# Altium PCB SPEC-A7.PcbDoc (part 1 of 10) (continued)
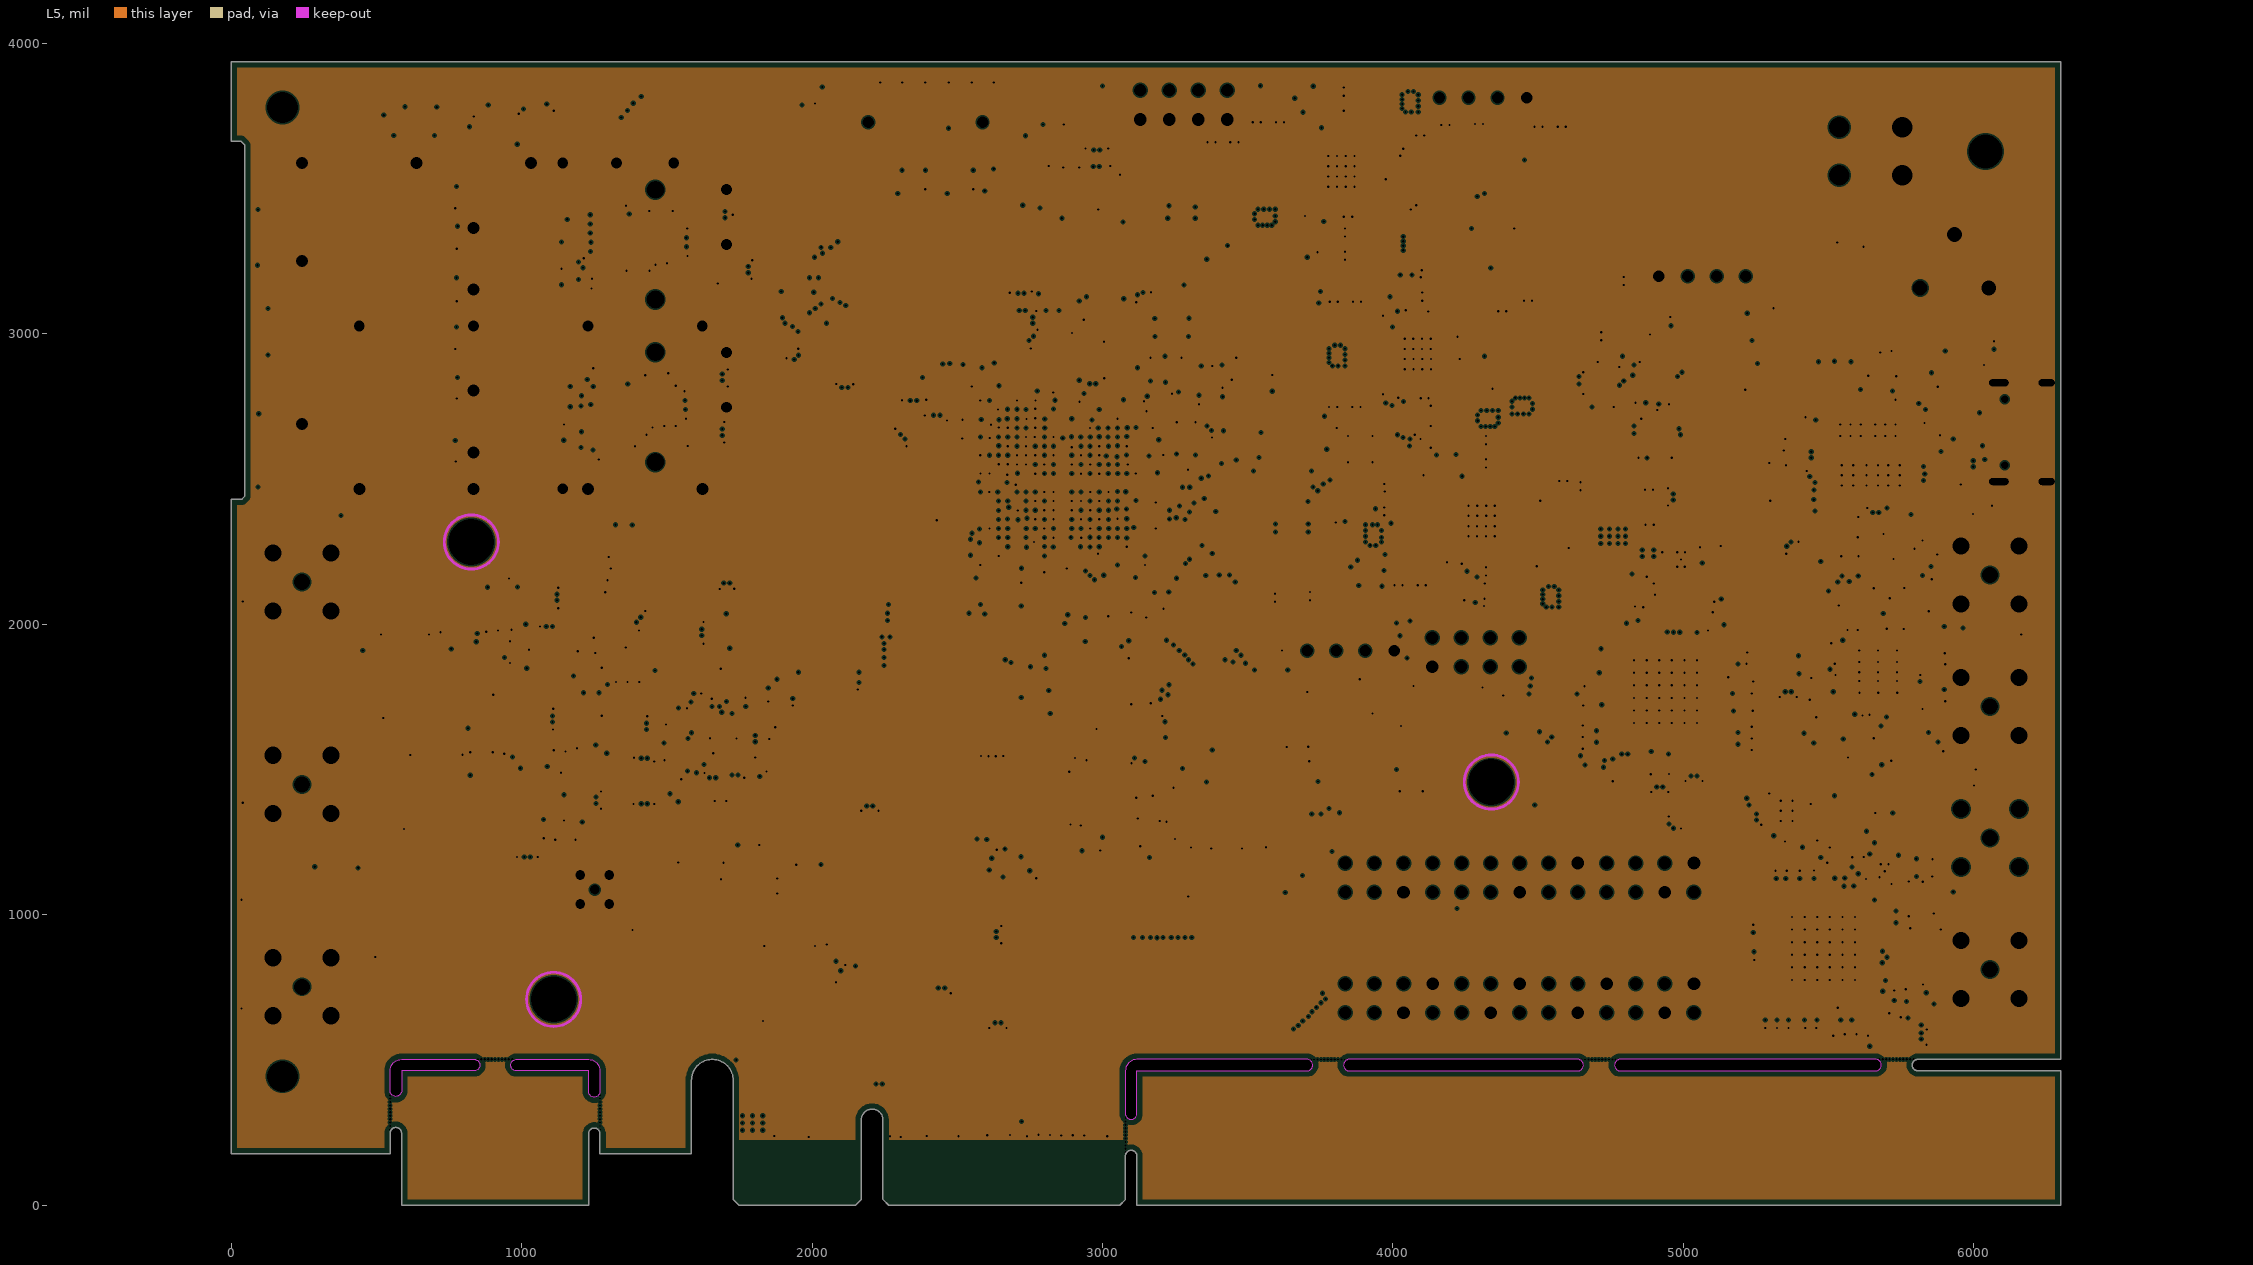
[diagram p5: L5, clearances drawn from the general rule]
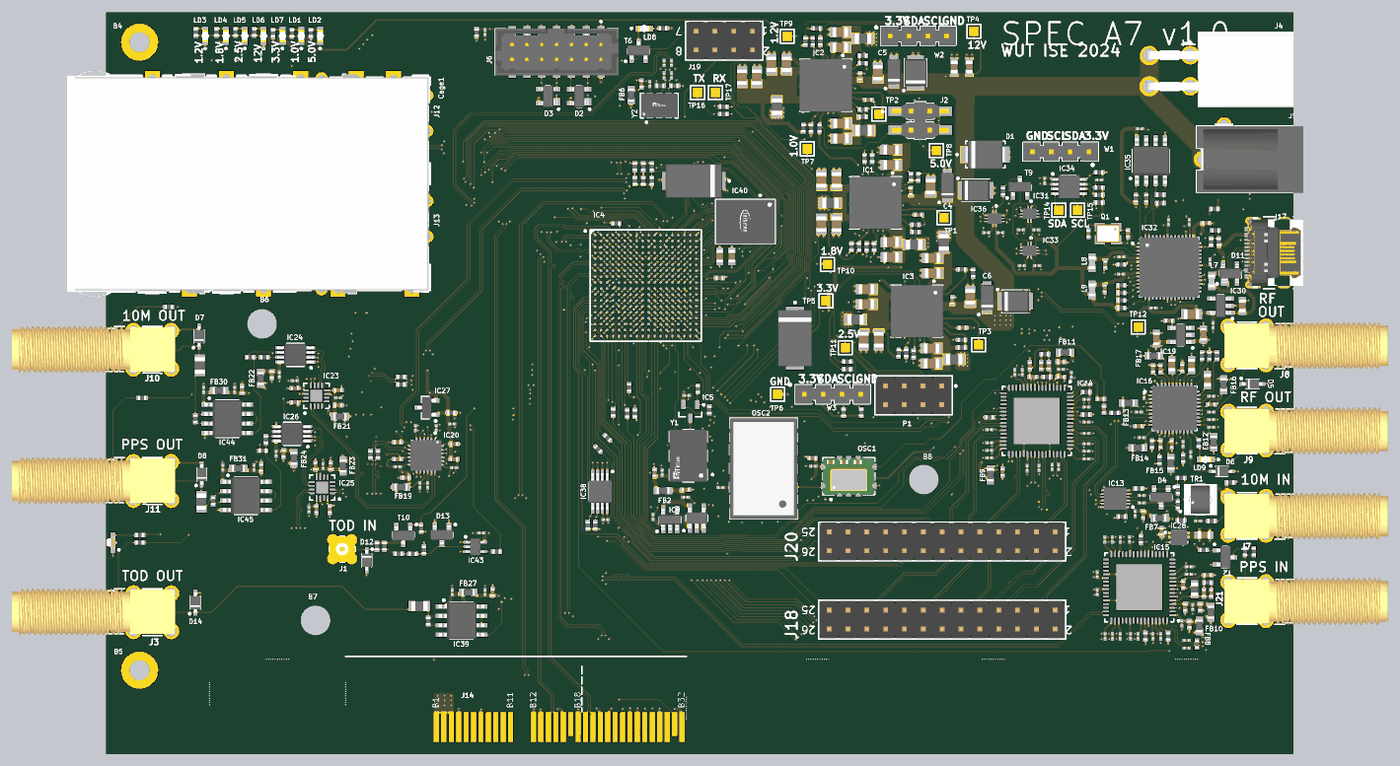
[diagram p15: 3D render of the assembled board from above, using the file's embedded part models]
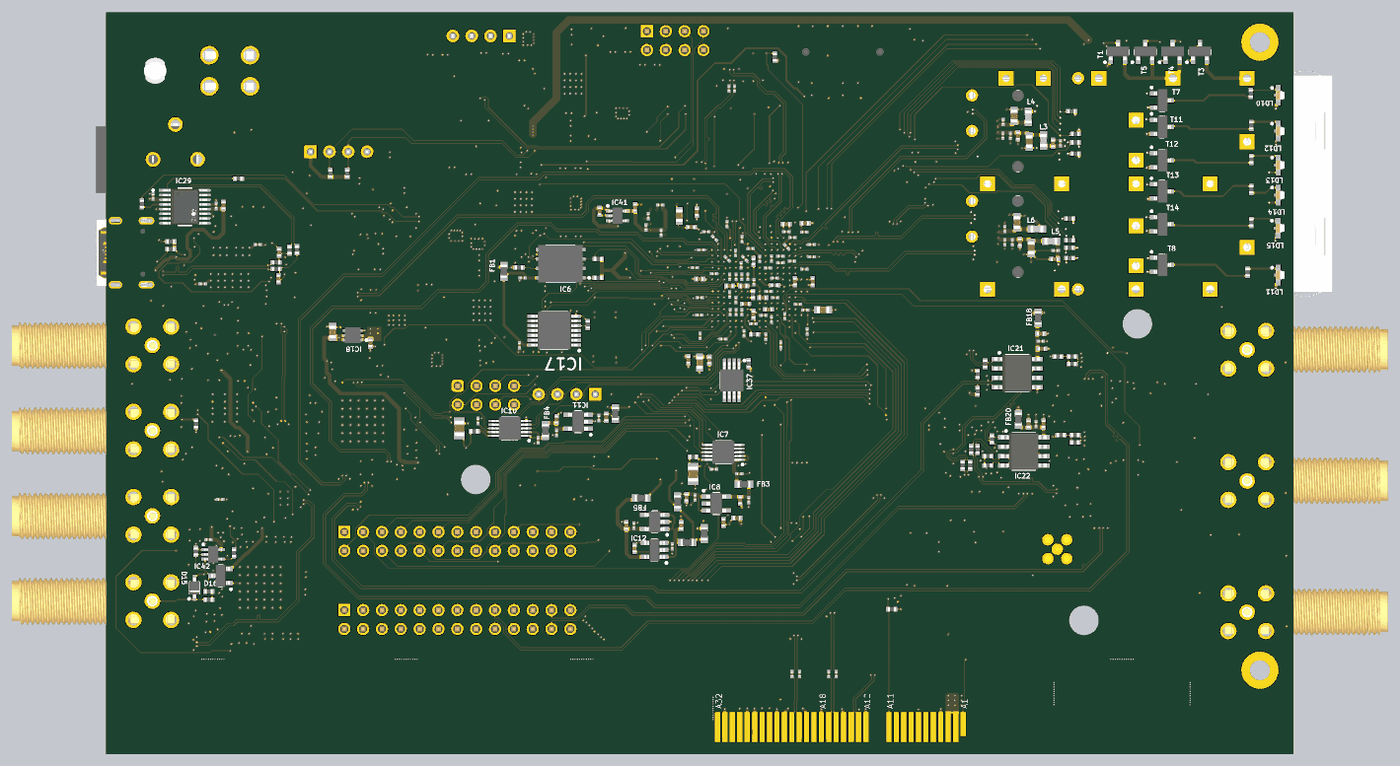
[diagram p16: 3D render of the assembled board from below, using the file's embedded part models]

## Layer stack, top to bottom
Top Solder: solder mask 0.394, Solder Resist, Dk 3.5
Top Layer: signal copper 1.378
Dielectric1: prepreg 3.937, FR-4, Dk 4.7
L2: plane copper 1.378, net GND
Dielectric5: core 3.937, FR-4, Dk 4.7
L3: signal copper 0.689
Dielectric2: prepreg 39.37, FR-4, Dk 4.8
L4: signal copper 0.689
Dielectric3: core 3.937, FR-4, Dk 4.7
L5: plane copper 0.689, net GND
Dielectric4: prepreg 3.937, FR-4, Dk 4.7
Bottom Layer: signal copper 1.378
Bottom Solder: solder mask 0.394, Solder Resist, Dk 3.5

## Board outline
0,177.14 547.24,177.14 547.24,248.03 cw(c566.93,248.03) 566.93,267.72 cw(c566.93,248.03) 586.61,248.03 586.61,0 1230.31,0 1230.31,115.64 1230.31,246.02 cw(c1250,246.02) 1250,265.7 cw(c1250,246.01) 1269.68,246.01 1269.68,177.14 1584.64,177.14 1584.64,430.1 cw(c1656.49,430.1) 1728.34,430.1 1728.34,19.66 1748.03,-0.02 2149.6,-0.02 2169.28,19.66 2169.28,293.29 cw(c2206.69,293.29) 2244.09,293.29 2244.09,19.66 2263.78,-0.02 3059.05,-0.02 3078.74,19.66 3078.73,130.39 3078.73,169.29 cw(c3098.42,169.29) 3098.42,188.98 cw(c3098.42,169.29) 3118.1,169.29 3118.1,-0.02 6299.21,-0.02 6299.21,462.69 5807.21,462.69 cw(c5807.21,482.37) 5787.53,482.37 cw(c5807.21,482.37) 5807.21,502.06 6299.21,502.06 6299.21,501.95 6299.21,3936.99 0,3936.99 0,3662.98 33.87,3662.98 47.24,3649.61 47.24,3535.43 47.24,2527.56 47.24,2439.96 46.26,2439.96 37.4,2431.1 0,2431.1
cut-out: 4762.4,482.21 ccw(c4782.09,482.21) 4782.09,462.53 5661.54,462.53 5661.54,462.69 ccw(c5661.54,482.37) 5681.23,482.37 ccw(c5661.54,482.37) 5661.54,502.06 5661.54,501.9 4782.09,501.9 ccw(c4782.09,482.21)
cut-out: 3829.58,482.23 ccw(c3849.26,482.23) 3849.26,462.54 4636.42,462.54 4636.42,462.53 ccw(c4636.42,482.21) 4656.1,482.21 ccw(c4636.42,482.21) 4636.42,501.9 4636.42,501.91 3849.26,501.91 ccw(c3849.26,482.23)
cut-out: 3078.73,314.96 ccw(c3098.42,314.96) 3098.42,295.28 ccw(c3098.42,314.96) 3118.1,314.96 3118.1,462.54 3703.59,462.54 ccw(c3703.59,482.23) 3723.28,482.23 ccw(c3703.59,482.23) 3703.59,501.91 3703.59,501.95 3118.1,501.95 ccw(c3118.1,462.58) 3078.73,462.58
cut-out: 982.31,462.58 cw(c982.31,482.26) 962.62,482.26 cw(c982.31,482.26) 982.31,501.95 1069.39,501.95 1230.31,501.95 cw(c1230.31,462.58) 1269.68,462.58 1269.68,391.68 cw(c1250,391.68) 1250,372 cw(c1250,391.68) 1230.31,391.68 1230.31,462.58 1069.39,462.58
cut-out: 566.93,374.02 cw(c566.93,393.7) 547.24,393.7 547.24,462.58 cw(c586.61,462.58) 586.61,501.95 747.54,501.95 836.64,501.95 cw(c836.64,482.26) 856.32,482.26 cw(c836.64,482.26) 836.64,462.58 747.54,462.58 586.61,462.58 586.61,393.7 cw(c566.93,393.7)

## Design rules (kind name [scope] priority, off if disabled: settings)
Clearance [All] p1: gap=5 ignorepadtopadclearanceinfootprint=FALSE except(4: Arc-Fill Arc-Poly Arc-Region Track-Fill Track-Poly Track-Region SMDPad-Fill SMDPad-Poly SMDPad-Region THPad-Fill THPad-Poly THPad-Region Via-Fill Via-Poly Via-Region Fill-Fill Fill-Poly Fill-Region Poly-Poly Poly-Region Region-Region)
DiffPairsRouting [All] p1: maxlimit=12 minlimit=8 mostfreqgap=12 toplayer_maxgap=8 toplayer_prefgap=8 toplayer_minwidth=5 toplayer_maxwidth=5 toplayer_prefwidth=5 midlayer1_mingap=12 midlayer1_minwidth=4 midlayer1_maxwidth=4 midlayer1_prefwidth=4 midlayer2_mingap=12 midlayer2_minwidth=4 midlayer2_maxwidth=4 midlayer2_prefwidth=4 bottomlayer_maxgap=8 bottomlayer_prefgap=8 bottomlayer_minwidth=5 bottomlayer_maxwidth=5 bottomlayer_prefwidth=5 impedanceprofiledriven=TRUE impedanceprofileid={423340E5-958B-4755-B07E-32FED86A85B5} impedanceprofilevalue=100.000000 maxuncoupledlength=500
HoleSize [All] p1: absolutevalues=TRUE maxlimit=1000 minlimit=1 maxpercent=80.000 minpercent=20.000
HoleToHoleClearance [All] p1: gap=5 allowstackedmicrovias=TRUE
MatchedLengths [All] p1: tolerance=5 checknetsindiffpair=TRUE checkdiffpairvsdiffpair=FALSE checkxsignals=FALSE checkothers=FALSE
MinimumSolderMaskSliver [All] p1 off: minsoldermaskwidth=1
PlaneClearance [All] p1: clearance=5
PlaneConnect [All] p1: pad.planeconnectstyle=Relief pad.reliefexpansion=5 pad.reliefentries=4 pad.reliefconductorwidth=10 pad.reliefairgap=5 via.planeconnectstyle=Direct via.reliefexpansion=20 via.reliefentries=4 via.reliefconductorwidth=10 via.reliefairgap=10
PolygonConnect [All] p1: thpad.connectstyle=Relief thpad.reliefconductorwidth=10 thpad.reliefentries=4 thpad.polygonreliefangle="90 Angle" thpad.airgapwidth=5 smdpad.connectstyle=Relief smdpad.reliefconductorwidth=10 smdpad.reliefentries=4 smdpad.polygonreliefangle="90 Angle" smdpad.airgapwidth=10 via.connectstyle=Direct via.reliefconductorwidth=10 via.reliefentries=4 via.polygonreliefangle="90 Angle" via.airgapwidth=10
RoutingVias [All] p1: holewidth=7.87 width=15.75 viastyle="Through Hole" minholewidth=7.87 minwidth=15.75 maxholewidth=28 maxwidth=50
SilkToSilkClearance [All] p1: silktosilkclearance=1
SilkToSolderMaskClearance [IsPad] p1: minsilkscreentomaskgap=1 clearancetoexposedcopper=TRUE
SolderMaskExpansion [All] p1: expansion=4 istentingtop=FALSE
Width [All] p1: maxlimit=100 minlimit=5 preferedwidth=10
22 further rules are at their usual default settings.

## Classes and differential pairs
component class U_PPS_IN: C351 D15 D16 IC42 J21 R80 R83 R84 R165 R166 R177 R178 T2
component class U_TOD: C54 C303 C324 C325 D12 D13 D14 FB27 IC39 IC43 J1 J3 R123 R148 R149 R150 R151 R152 R153 R154 R155 T10
net class DDMTD: CLK_25M_DMTD DDMTD_LDAC DDMTD_SCLK DDMTD_SDI DDMTD_SDO DDMTD_SYNC
net class RGMII: RGMII_RX_CLK RGMII_RX_DV RGMII_RXD0 RGMII_RXD1 RGMII_RXD2 RGMII_RXD3 RGMII_TX_CLK RGMII_TX_EN RGMII_TXD0 RGMII_TXD1 RGMII_TXD2 RGMII_TXD3
net class MISC: GPIO0 GPIO1 GPIO2 GPIO3 GPIO4 I2C_SCL I2C_SDA
net class SFP1: SFP1_DISABLE SFP1_FAULT SFP1_LOSE SFP1_MODE0 SFP1_MODE1 SFP1_MODE2 SFP1_RS SFP_1.LED
net class SFP0: SFP0_DISABLE SFP0_FAULT SFP0_LOSE SFP0_MODE0 SFP0_MODE1 SFP0_MODE2 SFP0_RS SFP_0.LED
net class PLL: PLL_CS PLL_LOCK PLL_REFSEL PLL_RESET PLL_SCLK PLL_SDI PLL_SDO PLL_STAT PLL_SYNC
net class LMX: LMX_CS LMX_SCK LMX_SDI LMX_SYNC
net class EPLL: EXT_PLL_CS EXT_PLL_LOCK EXT_PLL_REFSEL EXT_PLL_SCLK EXT_PLL_SDI EXT_PLL_SDO EXT_PLL_STAT EXT_PLL_SYNC EXT_RESET
differential pair class Diff_100Ohm: SFP0_I SFP0_O SFP1_I SFP1_O
differential pair class Diff_90Ohm: USB_D_R
net class PWR: NetC13_2 NetC19_2 NetC22_2 NetC26_2 NetC28_2 NetC34_2 NetC39_2 NetC41_2 P12V0 VCCBRAM
component class U_XO_125M: C163 C164 FB6 R55 R56 Y2
component class U_VCXO_25M_PTP: C148 C149 C150 C151 C152 C153 C154 C155 C156 C157 C158 C159 C160 C161 C162 C337 C339 FB4 FB5 FB28 FB29 IC10 IC11 IC12 IC47 OSC1 OSC2 R52 R53
component class U_VCXO_25M_DDMTD: C135 C136 C137 C138 C139 C140 C141 C142 C143 C144 C145 C146 C147 C338 FB2 FB3 FB25 FB26 IC7 IC8 IC9 IC46 R51 Y1
component class U_USB_Serial_Quad: C52 C297 C298 C299 C300 C301 C302 C304 C305 C306 C307 C308 C309 C310 C311 C312 C313 C314 C315 C316 C317 C318 C319 C320 C321 C322 C323 C331 C333 C334 D11 IC29 IC30 IC31 IC32 IC33 IC34 IC35 IC36 J17 L7 L8 L9 Q1 R105 R106 R107 R108 R109 R110 R111 R112 R113 R114 R115 R116 R117 R118 R119 R120 R121 R122 R169 R171 R172 R173 R174 R175 R176 R200 T9 TP14 TP15 TP16 TP17
component class U_SFP: C281 C282 C283 C284 C285 C286 C287 C288 C289 C290 C291 C292 C293 C294 C295 C296 Cage1 J12 J13 L3 L4 L5 L6 LD10 LD11 R94 R95 R96 R97 R98 R99 R100 R101 R102 R103 T7 T8
component class U_Power: C1 C2 C3 C4 C5 C6 C7 C8 C9 C10 C11 C12 C13 C14 C15 C16 C17 C18 C19 C20 C21 C22 C23 C24 C25 C26 C27 C28 C29 C30 C31 C32 C34 C35 C36 C37 C39 C40 C41 C42 C43 D1 IC1 IC2 IC3 J2 J4 J5 LD1 LD2 LD3 LD4 LD5 LD6 LD7 PM1 R3 R4 R5 R6 R7 R8 R9 R10 R11 R12 R13 R14 R15 R16 R17 R18 R19 R20 R21 R22 R23 R24 R25 R26 R27 R28 R29 R30 R31 R32 R33 R34 R35 R36 R37 R38 R39 R78 R135 R136 R145 R146 R179 R180 R181 R182 R183 R184 R185 T1 T3 T4 T5 TP1 TP2 TP3 TP4 TP5 TP6 TP7 TP8 TP9 TP10 TP11 W1 W2 W3
component class U_PCIe: J14 R104
component class U_Misc: B4 B5 B6 B7 B8 IC37 J19 LD12 LD13 LD14 LD15 R124 R125 R126 R127 R128 R129 R130 R131 R132 R133 R134 T11 T12 T13 T14
component class U_FPGA_PWR_CONFIG: C56 C57 C58 C59 C60 C61 C62 C63 C64 C65 C66 C67 C68 C69 C70 C71 C72 C73 C74 C75 C76 C77 C78 C79 C80 C81 C82 C83 C84 C85 C86 C87 C88 C89 C90 C91 C92 C93 C94 C95 C96 C97 C98 C99 C100 C101 C102 C103 C104 C105 C106 C107 C108 C109 C110 C111 C112 C113 C114 C115 C116 C117 C118 C119 C120 C121 C122 C123 C124 C125 C126 C127 C128 C129 C130 C131 C132 C133 C134 C332 D2 D3 FB1 IC5 IC6 IC17 J6 L1 L2 LD8 P1 R43 R44 R45 R46 R47 R48 R49 R50 R54 R147 R170 T6
component class U_FPGA_MGT: C44 C45 C46 C47 C48 C49 C50 C51 C53 C55 C335 C336 R42
component class U_FPGA_34: C33 IC38 R40 R41 R159 R160 R161 R162 R163 R164
component class U_FPGA_14_15: C326 C327 C328 C329 C330 IC4 IC40 IC41 LD16 LD17 LD18 LD19 R186 R187 R188 R189
component class U_Ext_connectors: J18 J20
component class U_DIFF_DELAY_FANOUT: C247 C248 C249 C250 C251 C252 C253 C254 C255 C256 C257 C258 C259 C260 C261 C262 C263 C264 C265 C266 C267 C268 C269 C270 C271 C272 C273 C274 C275 C276 C277 C278 C279 C280 C352 C353 C354 C355 C356 C357 D7 D8 FB18 FB19 FB20 FB21 FB22 FB23 FB24 FB30 FB31 IC20 IC21 IC22 IC23 IC24 IC25 IC26 IC27 IC44 IC45 J10 J11 R85 R86 R87 R88 R89 R90 R91 R92 R93 R137 R138 R139 R140 R141 R142 R143 R144 R167 R168 R190 R191 R192 R193 R194 R195 R196 R197 R198 R199
component class U_Clocks_PLL: C38 C165 C166 C167 C168 C169 C170 C171 C172 C173 C174 C175 C176 C177 C178 C179 C180 C181 C182 C183 C184 C185 C186 C187 C188 C189 C190 C191 C192 C193 C194 C195 C196 C197 C198 C199 C200 C201 C202 C203 C204 C205 C206 C207 C208 C209 C210 C211 C212 C213 C214 C215 C216 C217 C218 C219 C220 C221 C222 C223 C224 C225 C226 C227 C228 C229 C230 C231 C232 C233 C234 C235 C236 C237 C238 C239 C240 C241 C242 C243 C244 C245 C246 D4 D5 D6 FB7 FB8 FB9 FB10 FB11 FB12 FB13 FB14 FB15 FB16 FB17 IC13 IC14 IC15 IC16 IC18 IC19 IC28 J7 J8 J9 LD9 R57 R58 R59 R60 R61 R62 R63 R64 R65 R66 R67 R68 R69 R70 R71 R72 R73 R74 R75 R76 R77 R79 R81 R82 R156 R157 R158 TP12 TR1
component class SPEC-A7-TOP: R1 R2
differential pair PCIe_REFCLK: +PCIe_REFCLK_P -PCIe_REFCLK_N
differential pair C: +C_P -C_N
differential pair CR: +CR_P -CR_N
differential pair PCIe_PET1: +PCIe_PET1_P -PCIe_PET1_N
differential pair PCIe_PET0: +PCIe_PET0_P -PCIe_PET0_N
differential pair PCIe_PER1: +PCIe_PER1_P -PCIe_PER1_N
differential pair PCIe_PER0: +PCIe_PER0_P -PCIe_PER0_N
differential pair DELAY_Q1: +DELAY_Q1_P -DELAY_Q1_N
differential pair DELAY_Q0: +DELAY_Q0_P -DELAY_Q0_N
differential pair SYNC_DATA1: +SYNC_DATA1_P -SYNC_DATA1_N
differential pair SYNC_DATA0: +SYNC_DATA0_P -SYNC_DATA0_N
differential pair 62_5MHZ: +62_5MHZ_P -62_5MHZ_N
differential pair CLK_125M: +CLK_125M_P -CLK_125M_N
differential pair USB_D_R: +USB_D_R_P -USB_D_R_N
differential pair SFP1_O: +SFP1_O_P -SFP1_O_N
differential pair SFP1_I: +SFP1_I_P -SFP1_I_N
differential pair SFP0_O: +SFP0_O_P -SFP0_O_N
differential pair SFP0_I: +SFP0_I_P -SFP0_I_N
differential pair PET1: +PET1_P -PET1_N
differential pair PET0: +PET0_P -PET0_N
differential pair OUT_3: +OUT_3_P -OUT_3_N
differential pair OUT_2: +OUT_2_P -OUT_2_N
differential pair MGTREFCLK1: +MGTREFCLK1_P -MGTREFCLK1_N
differential pair MGTREFCLK0: +MGTREFCLK0_P -MGTREFCLK0_N
differential pair GTP_CLK_REF: +GTP_CLK_REF_P -GTP_CLK_REF_N
differential pair FPGA_GCLK: +FPGA_GCLK_P -FPGA_GCLK_N
differential pair EXT_CLK: +EXT_CLK_P -EXT_CLK_N
differential pair EXT_CLK_9: +EXT_CLK_9_P -EXT_CLK_9_N
differential pair EXT_CLK_6: +EXT_CLK_6_P -EXT_CLK_6_N
differential pair EXT_CLK_5: +EXT_CLK_5_P -EXT_CLK_5_N
differential pair EXT_CLK_4: +EXT_CLK_4_P -EXT_CLK_4_N
differential pair EXT_CLK_1: +EXT_CLK_1_P -EXT_CLK_1_N
differential pair EXT_CLK_0: +EXT_CLK_0_P -EXT_CLK_0_N
differential pair DLY_Q1: +DLY_Q1_P -DLY_Q1_N
differential pair DLY_Q1_SE: +DLY_Q1_SE_P -DLY_Q1_SE_N
differential pair DLY_Q0: +DLY_Q0_P -DLY_Q0_N
differential pair DLY_Q0_SE: +DLY_Q0_SE_P -DLY_Q0_SE_N
differential pair DFF_Q1: +DFF_Q1_P -DFF_Q1_N
differential pair DFF_Q0: +DFF_Q0_P -DFF_Q0_N
differential pair 125M_CLK: +125M_CLK_P -125M_CLK_N

## Components (designator, comment, footprint, x,y, rotation, side; value= is the part's Value field where it differs from the comment)
B4 "Plated Hole" MTG270_500#1 157.48,3779.53 r0 top
B5 "Plated Hole" MTG270_500#2 176.54,443.59 r0 top
B6 "Non Plated Hole" MTG400 826.77,2283.46 r0 top
B7 "Non Plated Hole" MTG400 1110.24,708.66 r0 top
B8 "Non Plated Hole" MTG400 4338.58,1456.69 r0 top
C1 "33uF" CAPMP3528X210N 4615,2992.98 r0 top
C2 "33uF" CAPMP3528X210N 4295,3617.98 r90 top
C3 "33uF" CAPMP3528X210N 4825,2402.98 r0 top
C4 "10uF" CAPMP3216X180N 4465,3017.98 r90 top
C5 "10uF" CAPMP3216X180N 4180,3622.98 r90 top
C6 "10uF" CAPMP3216X180N 4675,2422.98 r90 top
C7 "100nF" CAPC1005X55N 4270,2987.98 r270 top
C8 "100nF" CAPC1005X55N 4000,3597.98 r270 top
C9 "100nF" CAPC1005X55N 4490,2407.98 r270 top
C10 "22uF" CAPC2012X135N 4375,3012.98 r270 top
C11 "22uF" CAPC2012X135N 4095,3617.98 r270 top
C12 "22uF" CAPC2012X135N 4585,2427.98 r270 top
C13 "22uF" CAPC2012X135N 3795,2812.98 r90 top
C14 "22uF" CAPC2012X135N 3875,2812.98 r90 top
C15 "22uF" CAPC2012X135N 3875,3047.98 r270 top
C16 "22uF" CAPC2012X135N 3795,3047.98 r270 top
C17 "22uF" CAPC2012X135N 4165,3207.98 r0 top
C18 "22uF" CAPC2012X135N 4165,3127.98 r0 top
C19 "22uF" CAPC2012X135N 4165,2637.98 r0 top
C20 "22uF" CAPC2012X135N 4165,2717.98 r0 top
C21 "1uF" CAPC1005X55N 4310,2862.98 r180 top
C22 "22uF" CAPC2012X135N 3610,3662.98 r270 top
C23 "22uF" CAPC2012X135N 3374.02,3594.49 r270 top
C24 "22uF" CAPC2012X135N 3452.76,3594.49 r270 top
C25 "22uF" CAPC2012X135N 3530,3662.98 r270 top
C26 "22uF" CAPC2012X135N 3895,3832.98 r0 top
C27 "22uF" CAPC2012X135N 3895,3752.98 r0 top
C28 "22uF" CAPC2012X135N 3900,3347.98 r0 top
C29 "22uF" CAPC2012X135N 3900,3267.98 r0 top
C30 "1uF" CAPC1005X55N 4045,3472.98 r180 top
C31 "10uF" CAPC1608X80N 4580,3647.98 r270 top
C32 "10uF" CAPC1608X80N 4500,3647.98 r270 top
C33 "100nF" CAPC0603X33N 2650,1242.98 r0 top
C34 "22uF" CAPC2012X135N 4100,2199.36 r90 top
C35 "22uF" CAPC2012X135N 4020,2199.36 r90 top
C36 "22uF" CAPC2012X135N 4035,2467.98 r0 top
C37 "22uF" CAPC2012X135N 4035,2387.98 r0 top
C38 "100nF" CAPC0603X33N 5204.72,1960.63 r180 top
C39 "22uF" CAPC2012X135N 4385,2632.98 r0 top
C40 "22uF" CAPC2012X135N 4385,2552.98 r0 top
C41 "22uF" CAPC2012X135N 4380,2152.98 r0 top
C42 "22uF" CAPC2012X135N 4380,2072.98 r0 top
C43 "1uF" CAPC1005X55N 4545,2262.98 r180 top
C44 "100nF" CAPC0603X33N 3000,3602.98 r90 top
C45 "100nF" CAPC0603X33N 2960,3602.98 r90 top
C46 "100nF" CAPC0603X33N 5054.1,1523.05 r270 top
C47 "100nF" CAPC0603X33N 5019.1,1523.05 r270 top
C48 "100nF" CAPC0603X33N 2995,3532.98 r270 bottom
C49 "100nF" CAPC0603X33N 2425,422.98 r270 bottom
C50 "100nF" CAPC0603X33N 2965,3532.98 r270 bottom
C51 "100nF" CAPC0603X33N 2465,422.98 r270 bottom
C52 "22uF" CAPC2012X135N 5759.84,2334.65 r0 top
C53 "100nF" CAPC0603X33N 2620,422.98 r270 bottom
C54 "100nF" CAPC0603X33N 1990.14,1172.51 r0 top
C55 "100nF" CAPC0603X33N 2660,422.98 r270 bottom
C56 "4.7uF" CAPC1005X55N 2690.51,2812.98 r180 bottom
C57 "100nF" CAPC0603X33N 2689.77,2773.03 r180 bottom
C58 "100nF" CAPC0603X33N 2688.59,2692.59 r45 bottom
C59 "100nF" CAPC0603X33N 2721.42,2643.51 r180 bottom
C60 "100nF" CAPC0603X33N 2721.81,2607.63 r180 bottom
C61 "100nF" CAPC0603X33N 2657.86,2741.87 r0 bottom
C62 "100nF" CAPC0603X33N 2554.99,2639.96 r0 bottom
C63 "100nF" CAPC0603X33N 2554.99,2704.99 r0 bottom
C64 "100nF" CAPC0603X33N 2594.19,2574.11 r0 bottom
C65 "100nF" CAPC0603X33N 2660.68,2617.32 r180 bottom
C66 "100nF" CAPC0603X33N 2595.22,2771.64 r0 bottom
C67 "4.7uF" CAPC1005X55N 2590,2817.98 r0 bottom
C68 "47uF" CAPC1608X100N 2495,2357.98 r0 bottom
C69 "470nF" CAPC0603X33N 2590,2357.98 r180 bottom
C70 "470nF" CAPC0603X33N 2749.58,2422.67 r180 bottom
C71 "470nF" CAPC0603X33N 3073.5,2549.52 r180 bottom
C72 "470nF" CAPC0603X33N 3176.66,2581.88 r180 bottom
C73 "470nF" CAPC0603X33N 3142.46,2676.08 r180 bottom
C74 "470nF" CAPC0603X33N 3005.51,2812.98 r270 bottom
C75 "470nF" CAPC0603X33N 3070.51,2737.98 r45 bottom
C76 "470nF" CAPC0603X33N 2925.62,2733.63 r270 bottom
C77 "470nF" CAPC0603X33N 3004.03,2628.57 r45 bottom
C78 "470nF" CAPC0603X33N 2880,2682.98 r0 bottom
C79 "470nF" CAPC0603X33N 3115,2772.98 r180 bottom
C80 "470nF" CAPC0603X33N 3423,2856 r90 bottom
C81 "4.7uF" CAPC1005X55N 3195,2797.98 r180 bottom
C82 "4.7uF" CAPC1005X55N 3165.11,2877.46 r270 bottom
C83 "47uF" CAPC1608X100N 3258,2858 r270 bottom
C84 "4.7uF" CAPC1005X55N 2550,2507.98 r270 bottom
C85 "4.7uF" CAPC1005X55N 2645,2507.98 r270 bottom
C86 "470nF" CAPC0603X33N 2865.28,2284.49 r0 bottom
C87 "470nF" CAPC0603X33N 2628.96,2387.45 r0 bottom
C88 "470nF" CAPC0603X33N 3025,2202.98 r0 bottom
C89 "470nF" CAPC0603X33N 2579.56,2242.6 r90 bottom
C90 "470nF" CAPC0603X33N 2798.89,2215.34 r90 bottom
C91 "470nF" CAPC0603X33N 3152.48,2329.62 r180 bottom
C92 "470nF" CAPC0603X33N 2959.85,2659.79 r270 bottom
C93 "470nF" CAPC0603X33N 2698.86,2323.69 r270 bottom
C94 "470nF" CAPC0603X33N 2752.78,2526.95 r180 bottom
C95 "470nF" CAPC0603X33N 2914.78,2233.4 r90 bottom
C96 "470nF" CAPC0603X33N 3150,2422.98 r180 bottom
C97 "470nF" CAPC0603X33N 2719.75,2171.38 r90 bottom
C98 "470nF" CAPC0603X33N 2768.77,2306.26 r90 bottom
C99 "470nF" CAPC0603X33N 3147.16,2220.01 r90 bottom
C100 "4.7uF" CAPC1005X55N 3098.43,2090.55 r90 bottom
C101 "4.7uF" CAPC1005X55N 3210,2092.98 r90 bottom
C102 "47uF" CAPC1608X100N 3150,2077.98 r90 bottom
C103 "330uF" CAPMP7343X190N 3118,3043 r180 top
C104 "330uF" CAPMP7343X190N 3655,2207.98 r270 top
C105 "100nF" CAPC0603X33N 2894.5,2534.28 r270 bottom
C106 "470nF" CAPC0603X33N 2862.01,2505.65 r90 bottom
C107 "4.7uF" CAPC1005X55N 2815.13,2422.4 r180 bottom
C108 "4.7uF" CAPC1005X55N 2865.05,2333.74 r90 bottom
C109 "4.7uF" CAPC1005X55N 2917.25,2485.41 r0 bottom
C110 "4.7uF" CAPC1005X55N 2991.2,2485 r180 bottom
C111 "4.7uF" CAPC1005X55N 2784.69,2359.98 r0 bottom
C112 "4.7uF" CAPC1005X55N 2905.98,2390.01 r0 bottom
C113 "470nF" CAPC0603X33N 2988.41,2345.85 r270 bottom
C114 "470nF" CAPC0603X33N 2990.68,2533.18 r90 bottom
C115 "470nF" CAPC0603X33N 2990.68,2439.56 r90 bottom
C116 "470nF" CAPC0603X33N 2910.75,2630.22 r45 bottom
C117 "4.7uF" CAPC1005X55N 3255,2526.99 r180 top
C118 "4.7uF" CAPC1005X55N 3150.12,2521.8 r0 bottom
C119 "47uF" CAPC1608X100N 3320,2642.98 r270 top
C120 "470nF" CAPC0603X33N 2784.13,2455.66 r180 bottom
C121 "470nF" CAPC0603X33N 2957.13,2532.93 r270 bottom
C122 "470nF" CAPC0603X33N 2768.76,2630.22 r270 bottom
C123 "470nF" CAPC0603X33N 2831.33,2628.21 r270 bottom
C124 "470nF" CAPC0603X33N 2811.1,2329.13 r0 bottom
C125 "470nF" CAPC0603X33N 2926.46,2345.43 r270 bottom
C126 "470nF" CAPC0603X33N 2958.04,2409.75 r90 bottom
C127 "470nF" CAPC0603X33N 2957.07,2345.99 r90 bottom
C128 "470nF" CAPC0603X33N 2787.78,2580.35 r0 bottom
C129 "470nF" CAPC0603X33N 2926.72,2533.73 r90 bottom
C130 "470nF" CAPC0603X33N 2930.18,2594.52 r90 bottom
C131 "47uF" CAPC1608X100N 3255,2642.98 r270 top
C132 "100nF" CAPC0603X33N 3080,1902.98 r180 top
C133 "100nF" CAPC0603X33N 4090,2527.98 r180 bottom
C134 "100nF" CAPC0603X33N 2010,3832.98 r90 top
C135 "4.7uF" CAPC1005X55N 2910,1492.98 r270 top
C136 "100nF" CAPC0603X33N 2950,1492.98 r270 top
C137 "100nF" CAPC0603X33N 2939.88,1486.4 r0 bottom
C138 "100nF" CAPC0603X33N 3074.88,1511.4 r180 bottom
C139 "100nF" CAPC2012X88N 3184.88,1486.4 r90 bottom
C140 "4.7uF" CAPC1005X55N 3219.88,1361.4 r90 bottom
C141 "100nF" CAPC0603X33N 3174.88,1361.4 r90 bottom
C142 "4.7uF" CAPC1005X55N 2934.88,1346.4 r90 bottom
C143 "100nF" CAPC0603X33N 2889.88,1347.62 r90 bottom